# KiCad board SparkPNT_GPSDO.kicad_pcb
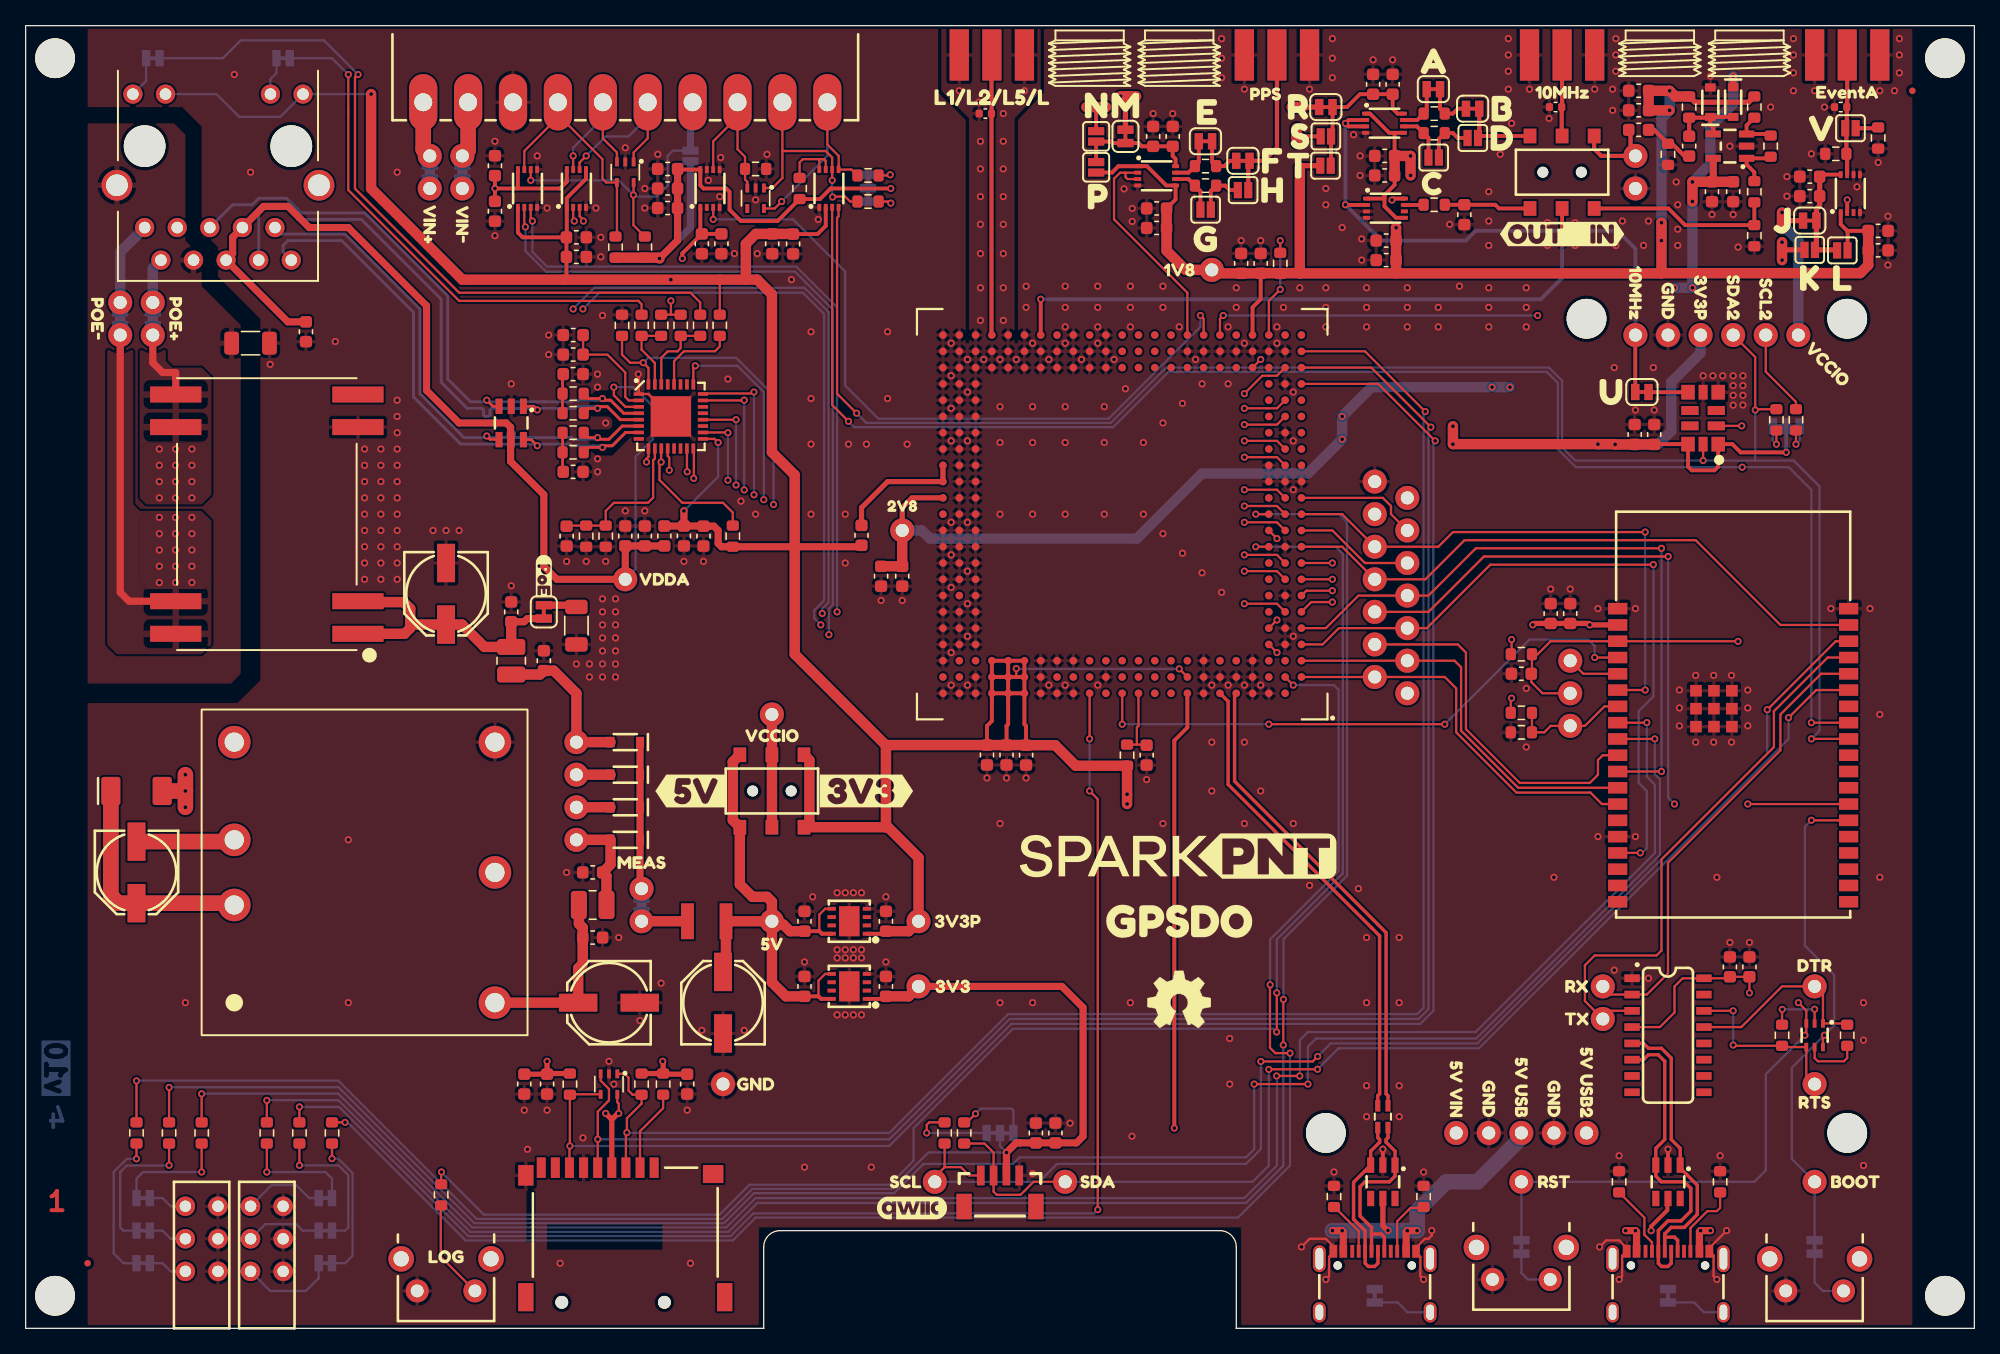
[diagram p0: board, top side]
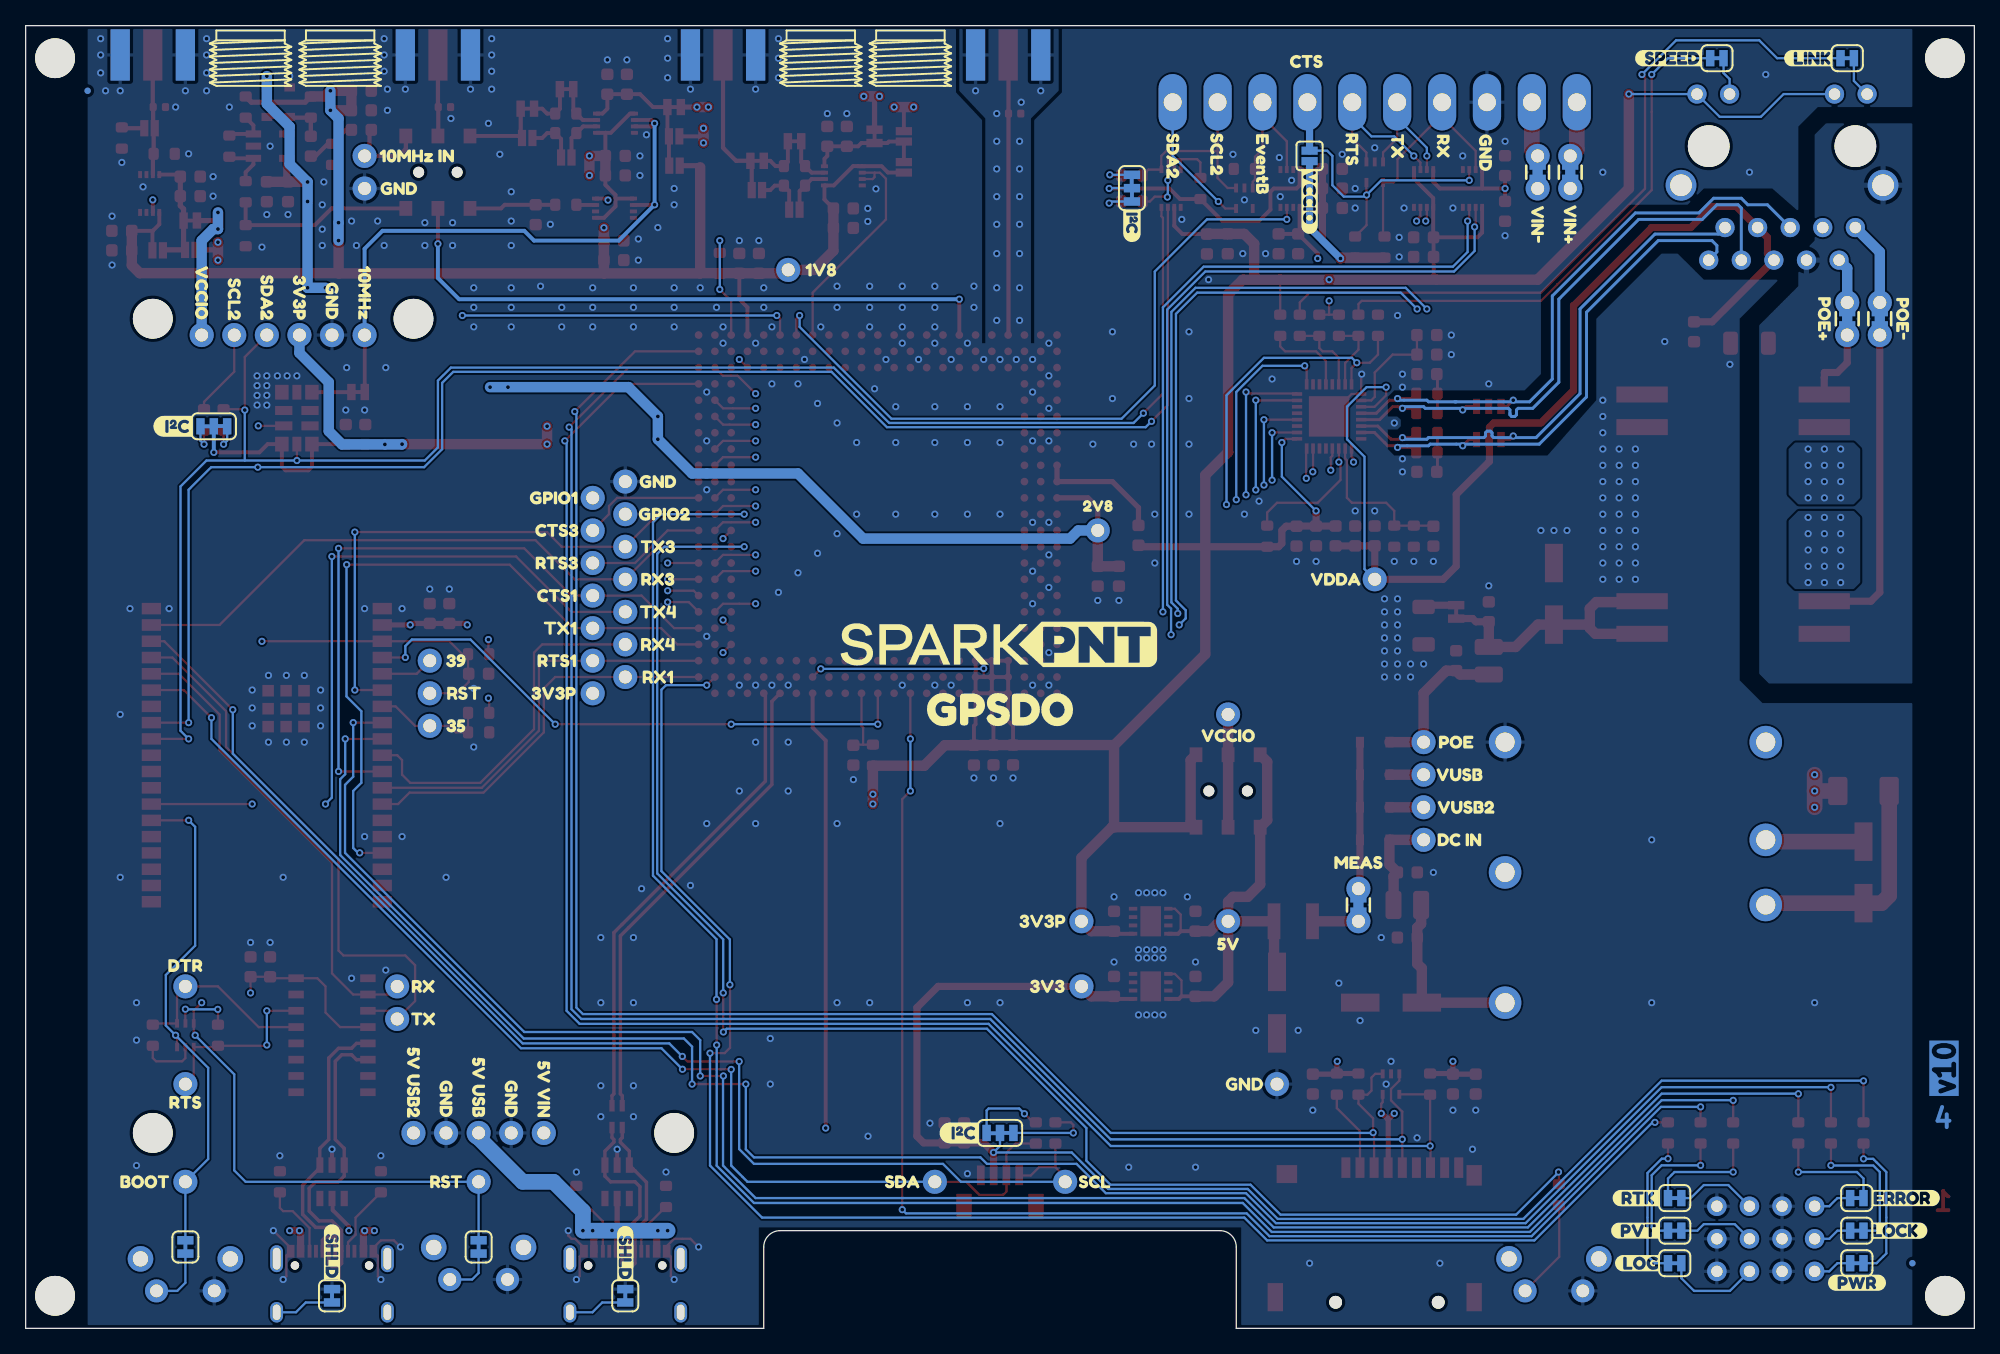
[diagram p1: board, bottom side, seen from below]

Outline 151.9 x 101.6 mm; copper layers: Top, In1.Cu, In2.Cu, Bottom. Coordinates in mm from the lower left corner of the outline.
Outline path: 0,101.6 151.9,101.6 151.9,0 94.37,0 94.37,6.35 arc(93.99,7.25) 93.09,7.62 58.81,7.62 arc(57.91,7.25) 57.53,6.35 57.53,0 0,0 0,101.6
Stack: Top 0.035mm / dielectric 0.1mm FR4 er 4.5 / In1.Cu 0.035mm / dielectric 1.24mm FR4 er 4.5 / In2.Cu 0.035mm / dielectric 0.1mm FR4 er 4.5 / Bottom 0.035mm

## Placement (name value [footprint] x y rotation side)
A.1  ~  [Jumper_2_NC_Trace]  109.73 96.65 0 top
B.1  ~  [Jumper_2_NC_Trace]  112.79 95.12 0 top
C1  10uF  [C_0603_1608Metric]  120.4 55.75 90 top
C2  0.1uF  [C_0603_1608Metric]  118.88 55.75 90 top
C3  0.1uF  [C_0603_1608Metric]  87.38 44.7 90 top
C4  2.2uF  [C_0603_1608Metric]  134.37 28.19 90 top
C5  0.1uF  [C_0603_1608Metric]  132.85 28.19 90 top
C6  100uF  [Panasonic_D]  54.36 25.4 90 top
C7  1.0uF  [C_0603_1608Metric]  60.71 31.75 90 top
C8  1.0uF  [C_0603_1608Metric]  116.59 51.05 180 top
C9  1nF  [C_1206_3216Metric]  17.53 76.84 0 top
C10  0.1uF  [C_0603_1608Metric]  21.85 77.72 270 top
C11  0.1uF  [C_0603_1608Metric]  42.68 66.8 180 top
C12  0.1uF  [C_0603_1608Metric]  42.68 74.42 0 top
C13  2.2uF  [C_0603_1608Metric]  42.68 77.47 180 top
C14  0.1uF  [C_0603_1608Metric]  42.68 75.95 180 top
C15  100pF  [C_0603_1608Metric]  42.17 61.79 270 top
C16  2.2uF  [C_0603_1608Metric]  74.93 44.72 270 top
C17  0.1uF  [C_0603_1608Metric]  76.46 44.72 270 top
C18  2.2uF  [C_0603_1608Metric]  94.75 83.06 90 top
C19  0.1uF  [C_0603_1608Metric]  96.27 83.06 90 top
C20  1.0uF  [C_0603_1608Metric]  60.71 26.67 90 top
C21  1.0uF  [C_0603_1608Metric]  67.06 31.75 90 top
C22  1.0uF  [C_0603_1608Metric]  67.06 26.67 90 top
C23  0.1uF  [C_0603_1608Metric]  51.31 61.8 270 top
C24  2.2uF  [C_0603_1608Metric]  105.94 89.92 180 top
C25  10uF  [C_0603_1608Metric]  52.84 61.79 270 top
C26  0.1uF  [C_0603_1608Metric]  48.26 61.8 90 top
C27  10uF  [C_0603_1608Metric]  46.74 61.8 90 top
C28  0.1uF  [C_0603_1608Metric]  38.87 19.05 270 top
C29  22uF  [C_0603_1608Metric]  77.98 44.7 270 top
C30  10uF  [C_0603_1608Metric]  40.64 19.05 270 top
C31  2.2uF  [C_0603_1608Metric]  51.57 19.05 270 top
C32  100uF  [Panasonic_D]  45.47 25.4 180 top
C33  10uF  [C_0603_1608Metric]  44.2 30.48 0 top
C34  10uF  [C_0603_1608Metric]  44.2 35.56 180 top
C35  47uF  [Panasonic_D]  8.64 35.56 270 top
C36  100uF  [Panasonic_D]  32.77 57.29 270 top
C37  10uF  [C_0603_1608Metric]  37.85 55.88 90 top
C38  10uF  [C_0603_1608Metric]  40.39 52.07 90 top
C39  2.2uF  [C_0603_1608Metric]  42.93 85.09 0 top
C40  0.1uF  [C_0603_1608Metric]  42.93 83.57 0 top
C41  2.2uF  [C_0603_1608Metric]  36.58 90.68 90 top
C42  0.1uF  [C_0603_1608Metric]  36.58 87.12 270 top
C43  2.2uF  [C_0603_1608Metric]  52.71 84.58 270 top
C44  0.1uF  [C_0603_1608Metric]  54.23 84.58 270 top
C45  2.2uF  [C_0603_1608Metric]  50.04 90.42 180 top
C46  0.1uF  [C_0603_1608Metric]  50.04 88.9 180 top
C47  10uF  [C_0603_1608Metric]  125.42 69.72 90 top
C48  0.1uF  [C_0603_1608Metric]  126.95 69.72 90 top
C49  2.2uF  [C_0603_1608Metric]  105.03 97.03 90 top
C50  0.1uF  [C_0603_1608Metric]  105.94 91.44 180 top
C51  0.1uF  [C_0603_1608Metric]  106.56 97.03 90 top
C52  2.2uF  [C_0603_1608Metric]  106.05 84.84 180 top
C53  10uF  [C_0603_1608Metric]  50.04 87.38 180 top
C54  2.2uF  [C_0603_1608Metric]  78.74 15.24 90 top
C55  33pF  [C_0603_1608Metric]  112.15 86.86 270 top
C56  2.2uF  [C_0603_1608Metric]  58.2 84.58 270 top
C57  0.1uF  [C_0603_1608Metric]  59.82 84.57 270 top
C59  2.2uF  [C_0603_1608Metric]  144.4 84.07 0 top
C60  0.1uF  [C_0603_1608Metric]  80.27 15.24 90 top
C61  2.2uF  [C_0603_1608Metric]  139.07 88.3 180 top
C62  0.1uF  [C_0603_1608Metric]  144.4 85.6 0 top
C63  0.1uF  [C_0603_1608Metric]  139.07 89.83 180 top
C64  2.2uF  [C_0603_1608Metric]  88.16 85.82 180 top
C65  2.2uF  [C_0603_1608Metric]  87.89 92.96 90 top
C66  0.1uF  [C_0603_1608Metric]  88.16 87.34 180 top
C67  0.1uF  [C_0603_1608Metric]  89.41 92.96 90 top
C68  0.1uF  [C_0603_1608Metric]  106.05 83.31 180 top
C69  0.1uF  [C_0603_1608Metric]  125.73 96.52 180 top
C70  0.1uF  [C_0603_1608Metric]  131.45 88.65 270 top
C71  2.2uF  [C_0603_1608Metric]  133.1 88.65 270 top
C72  2.2uF  [C_0603_1608Metric]  125.73 95 180 top
C73  2.2uF  [C_0603_1608Metric]  66.68 58.66 270 top
C74  0.1uF  [C_0603_1608Metric]  68.33 58.66 270 top
C75  1.0nF  [C_0603_1608Metric]  125.73 93.47 0 top
C76  1.0nF  [C_0603_1608Metric]  129.67 92.2 90 top
C.1  ~  [Jumper_2_NO]  109.76 91.31 0 top
D1  PESD0402  [C_0402_1005Metric]  74.81 94.74 0 top
D2  DT1042-04SO  [SOT23-6]  105.8 11.43 270 top
D3  DT1042-04SO  [SOT23-6]  128.02 11.43 270 top
D4  BAT60A  [SOD-323]  46.74 43.18 180 top
D5  BAT60A  [SOD-323]  46.74 40.64 180 top
D6  DT1042-04SO  [SOT23-6]  37.85 70.61 270 top
D7  DF5A5.6LFU  [SOT-353]  45.47 19.05 270 top
D8  SK34A  [SMA]  8.64 41.91 0 top
D9  BAT60A  [SOD-323]  46.74 38.1 180 top
D10  BAT60A  [SOD-323]  46.74 45.72 180 top
D11  CBI_LED_3mm_YGR  [CBI_LED_Triple_3mm_PTH]  13.72 0 0 top
D12  CBI_LED_3mm_YGR  [CBI_LED_Triple_3mm_PTH]  18.8 0 0 top
D13  DF5A5.6LFU  [SOT-353]  46.74 90.17 270 top
D14  DF5A5.6LFU  [SOT-353]  56.9 88.14 270 top
D15  PESD0402  [C_0402_1005Metric]  141.48 95.25 0 top
D16  BAS16J  [SOD-323]  133.1 95.63 270 top
D17  PESD0402  [C_0402_1005Metric]  119.26 95.25 0 top
D18  BAS16J  [SOD-323]  131.32 95.63 90 top
D.1  ~  [Jumper_2_NO]  112.81 92.84 0 top
E.1  ~  [Jumper_2_NC_Trace]  91.96 92.58 0 top
F1  6V/2.0A/4.0A  [1210]  53.09 31.75 180 top
F.1  ~  [Jumper_2_NC_Trace]  94.89 91.06 0 top
FID1  Fiducial_0.5mm  [Fiducial_0.5mm_Mask1mm]  147.07 96.52 180 bottom
FID2  Fiducial_0.5mm  [Fiducial_0.5mm_Mask1mm]  4.83 5.08 180 bottom
FID3  Fiducial_0.5mm  [Fiducial_0.5mm_Mask1mm]  4.83 5.08 0 top
FID4  Fiducial_0.5mm  [Fiducial_0.5mm_Mask1mm]  147.07 96.52 0 top
G1  OSHW_Logo  [Creative_Commons_License]  110.49 -13.97 0 top
G***  LOGO  [SparkPNT_Logo_25mm]  89.92 36.83 0 top
G***#2  LOGO  [qwiic_5.5mm]  69.09 9.4 0 top
G***#3  LOGO  [SparkPNT_Logo_25mm]  75.95 53.34 180 bottom
G.1  ~  [Jumper_2_NO]  91.98 87.25 0 top
H.1  ~  [Jumper_2_NO]  94.9 88.77 0 top
J1  -  [SMA_Edge]  75.31 99.31 0 top
J2  USB_C_Receptacle  [USB-C_16]  105.16 6.35 0 top
J3  -  [SMA_Edge]  141.99 99.31 0 top
J4  USB_C_Receptacle  [USB-C_16]  128.02 6.35 0 top
J5  MagJack_PoE  [MagJack_PoE_RJ45]  14.99 92.2 180 top
J6  microSD  [microSD_External_Pin]  46.74 2.03 0 top
J7  Qwiic_Vertical  [JST_SMD_1.0mm-4_Vertical]  75.95 10.41 180 top
J8  -  [SMA_Edge]  119.77 99.31 0 top
J9  -  [Screw_Cage_3.5mm-10]  46.74 98.43 180 top
J12  -  [SMA_Edge]  97.54 99.31 0 top
J.1  ~  [Jumper_2_NC_Trace]  139.07 86.4 180 top
JP1  ~  [Jumper_3_NC-2_Trace]  75.95 15.24 0 bottom
JP2  Measure  [Jumper_2_PTH_SMD_Combo-NC]  31.5 90.17 270 bottom
JP3  Measure  [Jumper_2_PTH_SMD_Combo-NC]  34.04 90.17 270 bottom
JP4  Measure  [Jumper_2_PTH_SMD_Combo-NC]  9.91 78.74 270 bottom
JP5  Measure  [Jumper_2_PTH_SMD_Combo-NC]  7.37 78.74 270 bottom
JP6  Measure  [Jumper_2_PTH_SMD_Combo-NC]  48.01 33.02 270 bottom
JP7  ~  [Jumper_2_NC_Trace]  40.39 55.88 270 top
JP8  ~  [Jumper_2_NC_Trace]  105.16 2.54 270 bottom
JP9  ~  [Jumper_2_NC_Trace]  128.02 2.54 270 bottom
JP10  ~  [Jumper_2_NC_Trace]  116.59 6.35 90 bottom
JP11  ~  [Jumper_2_NC_Trace]  139.45 6.35 90 bottom
JP12  ~  [Jumper_2_NC_Trace]  20.07 99.06 0 bottom
JP13  ~  [Jumper_2_NC_Trace]  9.91 99.06 0 bottom
JP14  ~  [Jumper_3_NC-2_Trace]  137.23 70.35 180 bottom
JP15  ~  [Jumper_2_NO]  51.82 91.44 270 bottom
JP16  ~  [Jumper_2_NC_Trace]  9.16 10.16 0 bottom
JP17  ~  [Jumper_2_NC_Trace]  9.16 7.62 0 bottom
JP18  ~  [Jumper_2_NC_Trace]  9.16 5.08 0 bottom
JP19  ~  [Jumper_2_NC_Trace]  23.36 10.16 180 bottom
JP20  ~  [Jumper_2_NC_Trace]  23.36 7.62 180 bottom
JP21  ~  [Jumper_2_NC_Trace]  23.36 5.08 180 bottom
JP22  ~  [Jumper_3_NC-2_Trace]  65.66 88.93 90 bottom
K.1  ~  [Jumper_2_NO]  139.07 84.11 180 top
kibuzzard-65A7F5A7  G***  [kibuzzard-65A7F5A7]  102.62 53.34 180 bottom
kibuzzard-65A7F5BC  G***  [kibuzzard-65A7F5BC]  102.62 50.8 180 bottom
kibuzzard-65A7F5CF  G***  [kibuzzard-65A7F5CF]  102.62 55.88 180 bottom
kibuzzard-65A7F5E3  G***  [kibuzzard-65A7F5E3]  110.24 54.61 180 bottom
kibuzzard-65A7F440  G***  [kibuzzard-65A7F440]  56.9 19.05 0 top
kibuzzard-65A7F440#2  G***  [kibuzzard-65A7F440]  56.9 19.05 180 bottom
kibuzzard-65A7F499  G***  [kibuzzard-65A7F499]  117.73 49.53 180 bottom
kibuzzard-65A7F511  G***  [kibuzzard-65A7F511]  72.27 26.67 0 top
kibuzzard-65A7F511#2  G***  [kibuzzard-65A7F511]  72.27 26.67 180 bottom
kibuzzard-65A7F548  G***  [kibuzzard-65A7F548]  72.65 31.75 0 top
kibuzzard-65A7F548#2  G***  [kibuzzard-65A7F548]  72.65 31.75 180 bottom
kibuzzard-65A7F771  G***  [kibuzzard-65A7F771]  89.92 82.55 0 top
kibuzzard-65A7F771#2  G***  [kibuzzard-65A7F771]  89.92 82.55 180 bottom
kibuzzard-65A7F891  G***  [kibuzzard-65A7F891]  140.41 70.35 180 bottom
kibuzzard-65A7F891#2  G***  [kibuzzard-65A7F891]  79.12 15.24 180 bottom
kibuzzard-66A11DB0  G***  [kibuzzard-66A11DB0]  102.62 58.42 180 bottom
kibuzzard-66A11DCF  G***  [kibuzzard-66A11DCF]  102.62 60.96 180 bottom
kibuzzard-66A11DE1  G***  [kibuzzard-66A11DE1]  110.49 52.07 180 bottom
kibuzzard-66A11DF6  G***  [kibuzzard-66A11DF6]  110.75 49.53 180 bottom
kibuzzard-66A11E3D  G***  [kibuzzard-66A11E3D]  110.75 64.77 180 bottom
kibuzzard-66A11E07  G***  [kibuzzard-66A11E07]  110.49 57.15 180 bottom
kibuzzard-66A11E7B  G***  [kibuzzard-66A11E7B]  118.37 46.99 180 bottom
kibuzzard-66A11E14  G***  [kibuzzard-66A11E14]  110.49 59.69 180 bottom
kibuzzard-66A11E22  G***  [kibuzzard-66A11E22]  110.49 62.23 180 bottom
kibuzzard-66A11E31  G***  [kibuzzard-66A11E31]  102.11 63.5 180 bottom
kibuzzard-66A11E48  G***  [kibuzzard-66A11E48]  102.62 66.04 180 bottom
kibuzzard-66A11E61  G***  [kibuzzard-66A11E61]  118.37 52.07 180 bottom
kibuzzard-66A11EB6  G***  [kibuzzard-66A11EB6]  125.48 80.77 270 top
kibuzzard-66A11EB6#2  G***  [kibuzzard-66A11EB6]  125.48 80.77 270 bottom
kibuzzard-66A11ECA  G***  [kibuzzard-66A11ECA]  130.56 80.39 270 top
kibuzzard-66A11ECA#2  G***  [kibuzzard-66A11ECA]  130.56 80.39 270 bottom
kibuzzard-66A11ED7  G***  [kibuzzard-66A11ED7]  128.02 80.14 270 top
kibuzzard-66A11ED7#2  G***  [kibuzzard-66A11ED7]  128.02 80.14 270 bottom
kibuzzard-66A11ED7#3  G***  [kibuzzard-66A11ED7]  122.81 88.9 180 bottom
kibuzzard-66A11EE6  G***  [kibuzzard-66A11EE6]  135.64 80.26 270 top
kibuzzard-66A11EE6#2  G***  [kibuzzard-66A11EE6]  135.64 80.26 270 bottom
kibuzzard-66A11EF1  G***  [kibuzzard-66A11EF1]  133.1 80.39 270 top
kibuzzard-66A11EF1#2  G***  [kibuzzard-66A11EF1]  133.1 80.39 270 bottom
kibuzzard-66A11F9C  G***  [kibuzzard-66A11F9C]  65.54 41.91 0 top
kibuzzard-66A11F21  G***  [kibuzzard-66A11F21]  58.17 29.97 0 top
kibuzzard-66A11F21#2  G***  [kibuzzard-66A11F21]  58.17 29.97 180 bottom
kibuzzard-66A11F39  G***  [kibuzzard-66A11F39]  58.17 46.23 0 top
kibuzzard-66A11F39#2  G***  [kibuzzard-66A11F39]  58.17 46.23 180 bottom
kibuzzard-66A11FB3  G***  [kibuzzard-66A11FB3]  51.82 41.91 0 top
kibuzzard-66A11FEE  G***  [kibuzzard-66A11FEE]  48.01 36.32 0 top
kibuzzard-66A11FEE#2  G***  [kibuzzard-66A11FEE]  48.01 36.32 180 bottom
kibuzzard-66A36AE8  G***  [kibuzzard-66A36AE8]  128.02 5.97 270 bottom
kibuzzard-66A36AE8#2  G***  [kibuzzard-66A36AE8]  105.16 5.84 270 bottom
kibuzzard-66A36B1F  G***  [kibuzzard-66A36B1F]  32.77 5.59 0 top
kibuzzard-66A36BEE  G***  [kibuzzard-66A36BEE]  52.07 98.81 180 bottom
kibuzzard-66A120AA  G***  [kibuzzard-66A120AA]  26.42 7.62 180 bottom
kibuzzard-66A120EB  G***  [kibuzzard-66A120EB]  26.32 5.08 180 bottom
kibuzzard-66A121BE  G***  [kibuzzard-66A121BE]  119.13 11.43 0 top
kibuzzard-66A121BE#2  G***  [kibuzzard-66A121BE]  119.13 11.43 180 bottom
kibuzzard-66A121D2  G***  [kibuzzard-66A121D2]  139.45 17.62 0 top
kibuzzard-66A121D2#2  G***  [kibuzzard-66A121D2]  139.45 17.62 180 bottom
kibuzzard-66A122A4  G***  [kibuzzard-66A122A4]  49.79 58.42 0 top
kibuzzard-66A122A4#2  G***  [kibuzzard-66A122A4]  49.79 58.42 180 bottom
kibuzzard-66A122D2  G***  [kibuzzard-66A122D2]  31.5 86.11 270 top
kibuzzard-66A122D2#2  G***  [kibuzzard-66A122D2]  31.5 86.11 270 bottom
kibuzzard-66A211A5  G***  [kibuzzard-66A211A5]  23.88 99.06 180 bottom
kibuzzard-66A212C6  G***  [kibuzzard-66A212C6]  51.82 87.88 270 bottom
kibuzzard-66A212DB  G***  [kibuzzard-66A212DB]  44.96 92.2 270 bottom
kibuzzard-66A212E8  G***  [kibuzzard-66A212E8]  48.52 91.95 270 bottom
kibuzzard-66A212F8  G***  [kibuzzard-66A212F8]  38.1 91.69 270 bottom
kibuzzard-66A1201E  G***  [kibuzzard-66A1201E]  39.63 40.64 180 bottom
kibuzzard-66A1223B  G***  [kibuzzard-66A1223B]  120.91 26.67 0 top
kibuzzard-66A1223B#2  G***  [kibuzzard-66A1223B]  120.91 26.67 180 bottom
kibuzzard-66A2129F  G***  [kibuzzard-66A2129F]  41.41 92.2 270 bottom
kibuzzard-66A12010  G***  [kibuzzard-66A12010]  40.39 45.72 180 bottom
kibuzzard-66A12027  G***  [kibuzzard-66A12027]  40.14 43.18 180 bottom
kibuzzard-66A12034  G***  [kibuzzard-66A12034]  40.14 38.1 180 bottom
kibuzzard-66A12099  G***  [kibuzzard-66A12099]  26.42 10.16 180 bottom
kibuzzard-66A12140  G***  [kibuzzard-66A12140]  5.34 10.16 180 bottom
kibuzzard-66A12152  G***  [kibuzzard-66A12152]  5.85 7.62 180 bottom
kibuzzard-66A12161  G***  [kibuzzard-66A12161]  9.15 3.56 180 bottom
kibuzzard-66A12184  G***  [kibuzzard-66A12184]  68.58 11.43 0 top
kibuzzard-66A12184#2  G***  [kibuzzard-66A12184]  68.58 11.43 180 bottom
kibuzzard-66A12197  G***  [kibuzzard-66A12197]  83.57 11.43 0 top
kibuzzard-66A12197#2  G***  [kibuzzard-66A12197]  83.57 11.43 180 bottom
kibuzzard-66A12248  G***  [kibuzzard-66A12248]  120.91 24.13 0 top
kibuzzard-66A12248#2  G***  [kibuzzard-66A12248]  120.91 24.13 180 bottom
kibuzzard-66A12259  G***  [kibuzzard-66A12259]  139.45 28.29 0 top
kibuzzard-66A12259#2  G***  [kibuzzard-66A12259]  139.45 28.29 180 bottom
kibuzzard-66A12273  G***  [kibuzzard-66A12273]  142.62 11.43 0 top
kibuzzard-66A12273#2  G***  [kibuzzard-66A12273]  142.62 11.43 180 bottom
kibuzzard-66A12315  G***  [kibuzzard-66A12315]  34.04 86.11 270 top
kibuzzard-66A12315#2  G***  [kibuzzard-66A12315]  34.04 86.11 270 bottom
kibuzzard-66A12334  G***  [kibuzzard-66A12334]  11.69 78.74 270 top
kibuzzard-66A12334#2  G***  [kibuzzard-66A12334]  11.69 78.74 270 bottom
kibuzzard-66A12372  G***  [kibuzzard-66A12372]  5.59 78.74 270 top
kibuzzard-66A12372#2  G***  [kibuzzard-66A12372]  5.59 78.74 270 bottom
kibuzzard-66A21191  G***  [kibuzzard-66A21191]  12.96 99.06 180 bottom
kibuzzard-66A21255  G***  [kibuzzard-66A21255]  40.39 58.67 270 top
kibuzzard-66A21310  G***  [kibuzzard-66A21310]  55.5 90.81 270 bottom
kibuzzard-66A21341  G***  [kibuzzard-66A21341]  96.65 96.27 0 top
kibuzzard-66A21351  G***  [kibuzzard-66A21351]  119.77 96.39 0 top
kibuzzard-672DF8D1  G***  [kibuzzard-672DF8D1]  116.59 18.8 270 top
kibuzzard-672DF8D1#2  G***  [kibuzzard-672DF8D1]  116.59 18.8 270 bottom
kibuzzard-672DF8E6  G***  [kibuzzard-672DF8E6]  114.05 17.91 270 top
kibuzzard-672DF8E6#2  G***  [kibuzzard-672DF8E6]  119.13 17.91 270 top
kibuzzard-672DF8E6#3  G***  [kibuzzard-672DF8E6]  119.13 17.91 270 bottom
kibuzzard-672DF8E6#4  G***  [kibuzzard-672DF8E6]  114.05 17.91 270 bottom
kibuzzard-672DF612  G***  [kibuzzard-672DF612]  140.47 75.18 315 top
kibuzzard-672DF612#2  G***  [kibuzzard-672DF612]  138.18 80.77 270 bottom
kibuzzard-672DF903  G***  [kibuzzard-672DF903]  121.67 19.18 270 top
kibuzzard-672DF903#2  G***  [kibuzzard-672DF903]  121.67 19.18 270 bottom
kibuzzard-6710F8E6  G***  [kibuzzard-6710F8E6]  141.99 96.39 0 top
kibuzzard-6717B47E  G***  [kibuzzard-6717B47E]  139.96 93.6 0 top
kibuzzard-6717B190  G***  [kibuzzard-6717B190]  123.58 73.03 0 top
kibuzzard-6718A8DE  G***  [kibuzzard-6718A8DE]  111.51 18.67 270 top
kibuzzard-6718A8DE#2  G***  [kibuzzard-6718A8DE]  111.51 18.67 270 bottom
kibuzzard-6718A746  G***  [kibuzzard-6718A746]  119.77 85.34 0 top
kibuzzard-6718C618  G***  [kibuzzard-6718C618]  121.42 91.44 180 bottom
kibuzzard-65776CDC  G***  [kibuzzard-65776CDC]  75.31 96.01 0 top
kibuzzard-67126CA7  G***  [kibuzzard-67126CA7]  65.66 85.98 270 bottom
kibuzzard-67127BF9  G***  [kibuzzard-67127BF9]  89.92 31.75 0 top
kibuzzard-67127BF9#2  G***  [kibuzzard-67127BF9]  75.95 48.26 180 bottom
kibuzzard-67162BBE  G***  [kibuzzard-67162BBE]  136.91 86.4 0 top
kibuzzard-67162BCC  G***  [kibuzzard-67162BCC]  139.07 81.92 0 top
kibuzzard-67162BE4  G***  [kibuzzard-67162BE4]  141.61 81.92 0 top
kibuzzard-67163F4F  G***  [kibuzzard-67163F4F]  83.57 88.27 0 top
kibuzzard-67163F31  G***  [kibuzzard-67163F31]  85.73 95.38 0 top
kibuzzard-67163F40  G***  [kibuzzard-67163F40]  83.44 95.38 0 top
kibuzzard-671267A7  G***  [kibuzzard-671267A7]  97.16 88.77 0 top
kibuzzard-671267CF  G***  [kibuzzard-671267CF]  68.33 64.14 0 top
kibuzzard-671267DB  G***  [kibuzzard-671267DB]  68.33 64.14 180 bottom
kibuzzard-671267FD  G***  [kibuzzard-671267FD]  109.73 98.81 0 top
kibuzzard-671645B9  G***  [kibuzzard-671645B9]  99.19 95.25 0 top
kibuzzard-671645D5  G***  [kibuzzard-671645D5]  99.32 92.96 0 top
kibuzzard-671646EE  G***  [kibuzzard-671646EE]  99.19 90.68 0 top
kibuzzard-6712235F  G***  [kibuzzard-6712235F]  59.06 91.57 270 bottom
kibuzzard-6712236B  G***  [kibuzzard-6712236B]  62.49 91.44 270 bottom
kibuzzard-6712680B  G***  [kibuzzard-6712680B]  115.07 95.12 0 top
kibuzzard-67126756  G***  [kibuzzard-67126756]  92.08 94.87 0 top
kibuzzard-67126766  G***  [kibuzzard-67126766]  97.16 91.06 0 top
kibuzzard-67126777  G***  [kibuzzard-67126777]  91.95 84.96 0 top
kibuzzard-67126820  G***  [kibuzzard-67126820]  115.07 92.84 0 top
kibuzzard-67126865  G***  [kibuzzard-67126865]  109.61 89.28 0 top
L1  470Ohm  [C_0603_1608Metric]  65.16 61.85 90 top
L2  470Ohm  [C_0603_1608Metric]  49.79 61.8 90 top
L3  4.7uH  [1008_2520Metric]  44.2 33.02 0 top
L4  4.7uH  [1008_2520Metric]  37.85 52.07 270 top
L.1  ~  [Jumper_2_NO]  141.61 84.07 0 top
M.1  ~  [Jumper_2_NC_Trace]  85.73 92.96 90 top
N.1  ~  [Jumper_2_NO]  83.44 92.96 90 top
P.1  ~  [Jumper_2_NO]  83.44 90.55 270 top
Q1  MBT3904DW1  [SOT-323]  139.45 22.86 270 top
R1  10k  [R_0603_1608Metric]  116.59 52.58 0 top
R2  10k  [R_0603_1608Metric]  141.99 22.86 90 top
R3  10k  [R_0603_1608Metric]  136.91 22.86 270 top
R4  2.2k  [R_0603_1608Metric]  73.16 15.24 90 top
R5  10k  [R_0603_1608Metric]  97.79 83.06 270 top
R6  2.2k  [R_0603_1608Metric]  71.63 15.24 90 top
R7  1k  [R_0603_1608Metric]  116.59 48.01 0 top
R8  1k  [R_0603_1608Metric]  116.59 46.48 180 top
R9  5.1k  [R_0603_1608Metric]  101.99 10.29 270 top
R10  5.1k  [R_0603_1608Metric]  108.97 10.29 270 top
R11  10k  [R_0603_1608Metric]  85.86 44.7 270 top
R12  470  [R_0603_1608Metric]  13.72 15.24 90 top
R13  470  [R_0603_1608Metric]  11.18 15.24 90 top
R14  5.1k  [R_0603_1608Metric]  132.08 11.43 270 top
R15  5.1k  [R_0603_1608Metric]  124.21 11.43 270 top
R16  100k  [R_0603_1608Metric]  48.26 84.33 90 top
R17  1k  [R_0603_1608Metric]  48.01 78.23 90 top
R18  1k  [R_0603_1608Metric]  52.58 78.23 90 top
R19  49.9  [R_0603_1608Metric]  42.68 68.33 0 top
R20  49.9  [R_0603_1608Metric]  42.68 69.85 0 top
R21  49.9  [R_0603_1608Metric]  42.68 72.9 180 top
R22  49.9  [R_0603_1608Metric]  42.68 71.37 180 top
R23  10k  [R_0603_1608Metric]  54.11 78.23 90 top
R24  10k  [R_0603_1608Metric]  46.49 78.23 90 top
R25  13k  [R_0603_1608Metric]  43.69 61.79 270 top
R26  13k  [R_0603_1608Metric]  45.22 61.79 270 top
R27  10k  [R_0603_1608Metric]  49.69 19.05 90 top
R28  10k  [R_0603_1608Metric]  48.01 19.05 90 top
R29  10k  [R_0603_1608Metric]  42.42 19.05 90 top
R30  33  [R_0603_1608Metric]  109.8 87.63 180 top
R31  2.2k  [R_0603_1608Metric]  136.47 70.86 90 top
R32  2.2k  [R_0603_1608Metric]  138 70.86 90 top